# KiCad board .C68.kicad_pcb (continued)
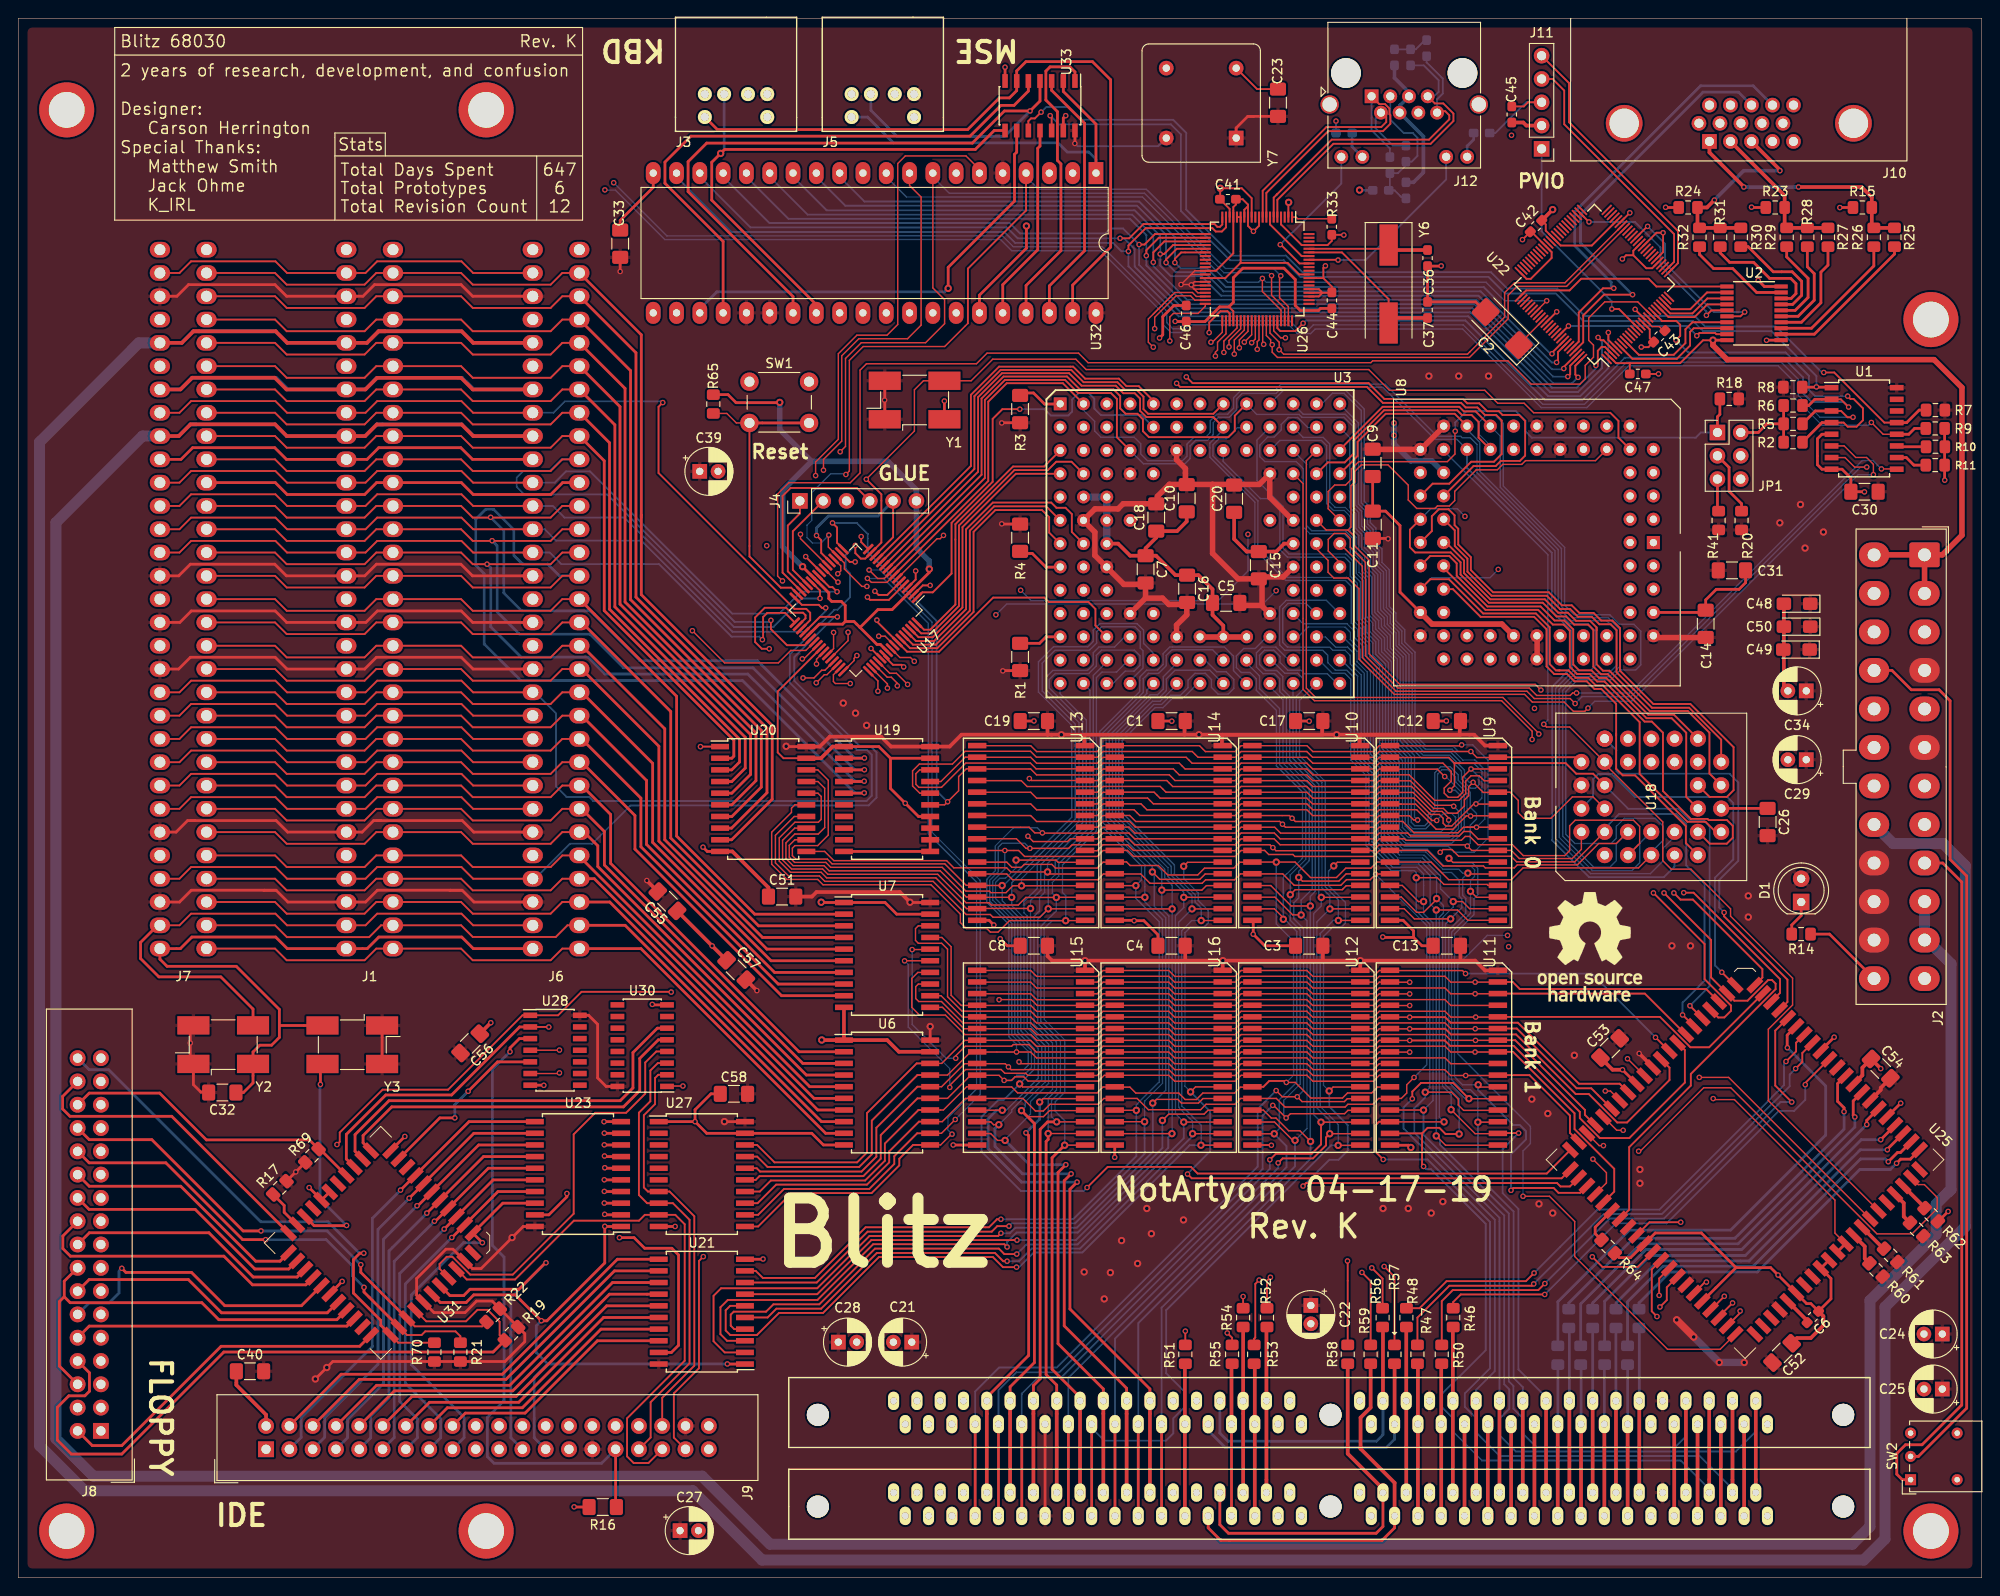
[diagram p0: board, top side]
## Routing (per net, layer and track width the routed paths; a pad name or vN(x,y) marks a point on that pad's centre or on a via; arc(x,y) is an arc through that point) (continued)
  In2.Cu w0.15: v1(83.29,108.67) 85.45,106.51 v1(85.45,100.17)
VGA_HSYNC: length 46.5
  Top w0.2: v1(175.95,139.88) 172.83,139.88 170.57,137.61 170.57,134.68 U22.97
  Bottom w0.3: v1(175.95,139.88) 175.93,139.88 170.27,145.53 170.27,148.6 183.62,161.95 187.5,161.95 J10.13
VGA_VSYNC: length 47.4
  Top w0.2: U22.96 170.08,134.76 170.08,137.92 172.73,140.57 v1(173.9,140.57)
  Bottom w0.3: 173.89,140.57 173.62,140.84 173.62,141.22 169.65,145.2 169.65,148.93 183.38,162.65 189.09,162.65 J10.14
VGB0: length 14.5
  Top w0.2: U2.18 182.62,136.22 182.22,135.82 182.22,134.33 180.77,132.88 175.94,132.88 U22.6
VGB1: length 14.1
  Top w0.2: 186.24,136.87 182.48,136.87 181.71,136.1 181.71,134.59 180.44,133.32 176.63,133.32 U22.8
VGB2: length 19.7
  Top w0.2: v1(177.59,147.32) 177.55,147.32 U22.39 ; v1(188.17,137.98) 187.7,137.51 U2.16
  Bottom w0.2: v1(177.59,147.32) 179.49,145.42 179.49,143.29 184.8,137.98 v1(188.17,137.98)
VGB3: length 22.3
  Top w0.2: U2.15 184.55,138.17 v1(184,137.62) ; U22.52 v1(171.2,147.8)
  Bottom w0.2: v1(184,137.62) 184,138.04 179,143.04 179,145.01 176.21,147.8 v1(171.2,147.8)
VGB4: length 8.5
  Top w0.2: U22.21 179.87,137.43 182.71,137.43 184.1,138.81 U2.14
VGB5: length 8.2
  Top w0.2: U22.22 180.04,137.83 182.47,137.83 184.11,139.47 U2.13
VGB6: length 8
  Top w0.2: U22.23 180.15,138.29 182.24,138.29 184.06,140.12 U2.12
VGB7: length 23.7
  Top w0.2: U2.11 178.55,140.76 177.7,141.61 170.35,141.61 169.08,140.34 164.35,140.34 U22.76
Net-(C2-Pad1): length 3.8
  Top w0.15: U22.85 163.55,134.45 C2.1
Net-(C6-Pad2): length 3.2
  Top w0.4: U25.58 194.98,28.02 C6.2
Net-(C35-Pad1): length 4
  Bottom w0.2: 153.58,167.57 153.27,167.57 152.32,166.62 R37.1 C35.1
Net-(C36-Pad1): length 13.3
  Top w0.2: U26.76 148.95,144.88 Y6.1
  Top w0.4: C36.1 149.91,144.74 Y6.1
Net-(C37-Pad1): length 17.9
  Top w0.2: U26.75 144.27,144.48 149.36,139.39 Y6.2
  Top w0.4: C37.1 149.91,137.33 Y6.2
Net-(C38-Pad1): length 16
  Bottom w0.2: 151.25,150.5 150.75,150.5 150,151.25 L1.1 149.5,151.38 R38.1 150.38,153.12 151.25,154 ; R39.2 151.88,154.38 152.5,155 152.5,157 152,157.5 151,157.5 149.54,158.96 J12.3
Net-(D1-Pad1): length 3.9
  Top w0.3: D1.1 194.32,72.18 193.3,71.16 R14.2
Net-(J1-PadA10): length 91.6
  Top w0.2: U17.38 85.7,101.66 83.78,101.66 82.03,103.41 v1(82.03,104.37) ; J1.A10 48.26,121.92 49.53,120.65 58.02,120.65 59.29,121.92 J6.A10 ; 20.55,121.92 27.98,121.92 29.25,120.65 37.74,120.65 39.01,121.92 40.87,121.92
  Bottom w0.2: J6.A10 59.2,121.92 57.93,120.65 55.06,120.65 54.32,119.91 54.32,118.93 55.15,118.1 64.18,118.1 78.08,104.2 81.86,104.2 v1(82.03,104.37)
Net-(J1-PadB8): length 90.4
  Top w0.2: v1(70.24,128.11) 69.78,127.65 69.78,120.43 84.59,105.62 85.88,105.62 86.31,105.19 86.31,104.39 U17.35 ; J1.B8 37.84,127 39.11,128.27 48.3,128.27 49.57,127 J6.B8 ; 35.79,127 29.29,127 28.02,128.27 18.83,128.27 17.56,127 15.47,127
  Bottom w0.2: J6.B8 58.31,127 59.56,128.25 70.1,128.25 v1(70.24,128.11)
Net-(J1-PadB11): length 87.8
  Top w0.2: J6.B11 49.57,119.38 48.3,120.65 39.11,120.65 37.84,119.38 J1.B11 ; 35.79,119.38 29.29,119.38 28.02,120.65 18.83,120.65 17.56,119.38 15.47,119.38 ; 87.87,108.54 U17.25 88.42,107.99 88.74,107.99 v1(89.24,107.49)
  Bottom w0.2: J6.B11 58.47,119.38 59.7,120.61 62.31,120.61 77.82,105.1 82.94,105.1 85.33,107.49 v1(89.24,107.49)
Net-(J1-PadB12): length 83.1
  Top w0.2: v1(87.38,106.76) 87.38,107.61 U17.27 ; J6.B12 49.57,116.84 48.3,118.11 39.11,118.11 37.84,116.84 J1.B12 ; 15.47,116.84 17.56,116.84 18.83,118.11 28.02,118.11 29.29,116.84 35.79,116.84
  Bottom w0.2: J6.B12 58.26,116.84 59.53,115.57 66.07,115.57 78,103.64 82.3,103.64 85.42,106.76 v1(87.38,106.76)
Net-(J1-PadB13): length 85.3
  Top w0.2: 15.47,114.3 17.56,114.3 18.83,115.57 28.02,115.57 29.29,114.3 35.79,114.3 ; v1(88,105.73) 87.58,105.73 87.25,106.06 85.4,106.06 U17.32 ; J6.B13 49.57,114.3 48.3,115.57 39.11,115.57 37.84,114.3 J1.B13
  Top w0.3: 15.47,114.3 15.01,114.3 ; J1.B13 35.29,114.3
  Bottom w0.2: v1(88,105.73) 88,105.37 85.75,103.12 77.85,103.12 67.91,113.06 58.61,113.06 57.37,114.3 J6.B13
Net-(J1-PadB14): length 78.3
  Top w0.2: J6.B14 49.57,111.76 48.3,113.03 39.11,113.03 37.84,111.76 J1.B14 ; 35.79,111.76 29.29,111.76 28.02,113.03 18.83,113.03 17.56,111.76 15.47,111.76 ; v1(81.1,102.26) 81.18,102.34 81.18,104.73 81.63,105.18 83.57,105.18 U17.33
  Bottom w0.2: J6.B14 57.92,111.76 59.18,110.5 69.83,110.5 77.74,102.59 80.77,102.59 v1(81.1,102.26)
Net-(J1-PadB28): length 115
  Top w0.2: U17.36 87.38,104.75 v1(89.27,104.75) ; J1.B28 37.84,76.2 39.11,77.47 48.3,77.47 49.57,76.2 J6.B28 ; 35.79,76.2 29.29,76.2 28.02,77.47 18.83,77.47 17.56,76.2 15.47,76.2
  Top w0.3: J1.B28 35.44,76.2 ; 15.47,76.2 15.16,76.2
  Bottom w0.2: J6.B28 56.32,76.2 60.13,80.01 62.55,80.01 66.73,84.19 92.68,84.19 93.54,85.05 93.54,89.97 92.82,90.69 91.67,90.69 84.58,97.78 84.58,100.37 88.93,104.72 89.28,104.72
Net-(J1-PadB30): length 64.3
  Top w0.2: J6.B30 49.57,71.12 48.3,72.39 39.11,72.39 37.84,71.12 J1.B30 29.29,71.12 28.02,72.39 18.83,72.39 17.56,71.12 15.47,71.12
  Top w0.3: J7.B30 15.18,71.12 13.32,69.26 13.32,67.5 15.32,65.5 22.07,65.5 25.58,61.99 Y2.3 ; 15.13,71.12 15.47,71.12 ; 35.41,71.12 J1.B30
Net-(J2-Pad9): length 75.2
  Top w0.3: SW2.1 205.35,10.68 204.75,11.28 204.75,13.54 205.7,14.49 207.5,14.49 211.83,18.82 211.83,75.84 209.76,77.91 J2.9
Net-(J2-Pad16): length 95.8
  Top w0.3: SW2.2 207.11,13.22 212.37,18.48 212.37,76.49 210.56,78.3 210.56,95.6 209.36,96.8 206.33,96.8 204.23,98.91 J2.16
Net-(J3-Pad1): length 61.2
  Top w0.3: 86.99,137.9 86.99,138.77 75.58,150.18 75.58,154.31 76.98,155.71 104.31,155.71 106.37,157.77 U33.8
  Bottom w0.3: v2(76.55,155.28) 76.93,155.66 J3.1
Net-(J3-Pad5): length 77.1
  Top w0.3: U32.39 114.92,140.92 119.06,145.06 119.06,163.3 117.08,165.28 109.83,165.28 108.82,164.27 U33.6 108.82,162.12 108.03,161.32 106.93,161.32 103.47,157.88 76.19,157.88 J3.5
Net-(J4-Pad1): length 10.8
  Top w0.2: J4.1 85.19,116.02 83.87,114.7 83.87,109.71 U17.29
Net-(J4-Pad2): length 11.2
  Top w0.2: U17.28 84.42,109.87 84.42,114.08 J4.2
Net-(J4-Pad3): length 18.7
  Top w0.2: U17.53 94,100.24 v1(92.94,101.3)
  In1.Cu w0.3: J4.3 90.27,109.86 91.31,108.82 91.31,103.35 92.94,101.72 v1(92.94,101.3)
Net-(J4-Pad4): length 21.7
  Top w0.2: J4.4 91.4,118.8 84.17,118.8 83.3,117.93 83.3,109.57 U17.30
Net-(J5-Pad1): length 85.9
  Top w0.3: U32.27 84.44,139.67 73,151.11 73,154.37 75.03,156.4 103.98,156.4 107.48,159.9 v1(110.28,159.9) 111.36,160.99 U33.4
  Bottom w0.3: J5.1 92.93,159.97 95.78,157.12 107.5,157.12 v1(110.28,159.9)
Net-(J5-Pad5): length 41.6
  Top w0.3: U33.2 113.9,162.03 117.46,158.47 U32.1
  Bottom w0.3: J5.5 92.56,159.24 95.38,156.43 113.32,156.43 114.32,155.43 116.66,155.43 117.46,154.63 U32.1
Net-(J8-Pad2): length 37.6
  Top w0.3: J8.2 8.06,14.4 11.28,14.4 22.1,25.22 37.21,25.22 U31.39
Net-(J8-Pad8): length 79.2
  Top w0.2: R19.1 52.46,26.44 52.46,27.89 51.15,29.2 50.05,29.2 48.8,27.95 44.46,27.95 U31.43
  Top w0.3: R19.1 51.75,24.6 22.4,24.6 11.28,13.47 5.78,13.47 4.25,15 4.25,18.57 5.5,19.82 7.25,19.82 7.75,20.32 7.75,22.33 J8.8
Net-(J8-Pad10): length 31
  Top w0.3: U31.37 35.81,27.43 7.72,27.43 J8.10
Net-(J8-Pad12): length 32.6
  Top w0.3: U31.33 30.85,29.65 22.5,29.65 18.88,33.28 11.72,33.28 v1(11.28,33.72)
  Bottom w0.3: J8.12 7.71,29.95 9.88,29.95 10.98,31.05 10.98,33.43 v1(11.28,33.72)
Net-(J8-Pad14): length 30.9
  Top w0.3: J8.14 7.72,32.5 18.53,32.5 22.15,28.88 33.67,28.88 U31.35
Net-(J8-Pad16): length 46.5
  Top w0.3: J8.16 5,32.32 5,30.62 ; J8.6 4.47,23.06 4.47,30.1 5,30.62 ; 5,30.62 5.65,29.97 20,29.97 21.85,28.12 34.72,28.12 U31.36
Net-(J8-Pad18): length 27.7
  Top w0.3: J8.18 7.74,37.6 20.78,37.6 25.6,32.78 30.39,32.78 U31.31
Net-(J8-Pad20): length 32.9
  Top w0.3: J8.20 4.85,37.25 4.85,35.88 5.67,35.05 22.4,35.05 25.53,31.93 31.33,31.93 U31.32
Net-(J8-Pad22): length 27.5
  Top w0.3: J8.22 7.71,40.15 19.28,40.15 25.78,33.65 29.47,33.65 U31.30
Net-(J8-Pad24): length 27.3
  Top w0.3: J8.24 7.72,42.68 17.7,42.68 25.88,34.5 28.52,34.5 U31.29
Net-(J8-Pad26): length 52
  Top w0.2: R21.1 48.18,26.32 47.65,26.85 44.35,26.85 43.95,26.45 42.37,26.45 U31.41
  Top w0.3: J8.26 7.72,45.22 16.08,45.22 24.45,36.85 v1(26.95,36.85) ; v1(37.67,31.65) 37.67,31.14 U31.41
  Bottom w0.3: v1(37.67,31.65) 36.42,32.9 36.42,33.97 33.55,36.85 v1(26.95,36.85)
Net-(J8-Pad28): length 54.2
  Top w0.2: U31.42 43.21,27.4 50.55,27.4 R22.1
  Top w0.3: v1(37.33,34.12) 37.33,33.29 U31.42 ; v1(26.45,37.8) 24.5,37.8 14.55,47.75 7.73,47.75 J8.28
  Bottom w0.3: v1(26.45,37.8) 33.65,37.8 v1(37.33,34.12)
Net-(J8-Pad30): length 33.5
  Top w0.3: J8.30 7.72,52.82 15.4,52.82 20.5,47.72 31.72,47.72 R69.1 32.87,46.72 U31.21
Net-(J8-Pad32): length 33.9
  Top w0.3: U31.28 16.72,50.3 5.62,50.3 4.83,51.1 4.83,52.47 J8.32
Net-(J8-Pad34): length 56.4
  Top w0.2: U31.40 41.41,25.61 R70.1
  Top w0.3: v1(37.65,35.38) 37.23,35.38 36.53,34.67 36.53,31.03 39.5,28.05 39.5,27.52 U31.40
  Bottom w0.3: v1(37.65,35.38) 37.17,35.38 33.75,38.8 26.42,38.8 9.85,55.38 7.72,55.38 J8.34
Net-(J9-Pad31): length 70.5
  Top w0.3: R16.2 65.1,7.79 J9.31 ; v1(53.59,57.34) 53.59,57.75 54.61,58.77 U28.3
  Bottom w0.3: J9.31 63.57,12.47 51.85,12.47 51.12,13.2 51.12,17.47 52.94,19.29 52.94,34.95 51.67,36.22 51.67,55.42 v1(53.59,57.34)
Net-(J10-Pad1): length 26.6
  Top w0.4: v1(194.04,151.61) 200.91,151.61 202.02,150.5 R15.1 202.02,147.38 R26.1 R25.1 ; v1(188.08,151.61) 188.08,151.63 184.33,155.38 J10.1
  Bottom w0.4: v1(188.08,151.61) v1(194.04,151.61)
Net-(J10-Pad2): length 16.5
  Top w0.4: R27.1 R29.1 192.52,147.38 R23.1 192.52,150.68 J10.2
Net-(J10-Pad3): length 21.9
  Top w0.4: v1(192.01,153.39) 192.01,153.48 J10.3 ; R30.1 R32.1 183.02,147.38 R24.1 184.06,149.38 v1(184.87,150.19)
  Bottom w0.4: v1(192.01,153.39) 188.07,153.39 v1(184.87,150.19)
Net-(J11-Pad4): length 27.8
  Top w0.2: J11.4 167.24,163.39 168.5,162.13 168.5,158.45 180.48,146.47 180.48,143.45 U22.27
Net-(J11-Pad5): length 30.2
  Top w0.2: U22.26 180.9,143.31 180.9,146.8 169.02,158.68 169.02,162.94 J11.5
Net-(J12-Pad9): length 16.3
  Top w0.2: U26.72 139.65,143.28 137.6,145.33 v1(137.55,145.33)
  Bottom w0.2: J12.9 144.2,151.98 v1(137.55,145.33)
Net-(J12-Pad10): length 3.1
  Bottom w0.3: R35.2 145.38,156.01 J12.10
Net-(J12-Pad11): length 21.1
  Top w0.2: U26.73 143.82,143.68 v1(143.85,143.65)
  Bottom w0.2: J12.11 155.63,152.43 146.85,143.65 v1(143.85,143.65)
Net-(J12-Pad12): length 2.9
  Bottom w0.3: R34.2 158.62,156.78 157.92,156.08 J12.12
Net-(JP1-Pad3): length 7.1
  Top w0.3: R20.2 187.83,117.08 186.47,118.44 186.47,121.04 JP1.3
Net-(JP1-Pad5): length 3.5
  Top w0.3: R41.2 185.2,116.41 JP1.5
Net-(R1-Pad2): length 4.7
  Top w0.3: U3.L1 112.02,102.57 111.31,101.86 R1.2
Net-(R3-Pad2): length 5.4
  Top w0.3: 113.54,127.95 111.86,127.95 110.65,129.16 108.6,129.16
Net-(R4-Pad2): length 5.6
  Top w0.3: 108.6,111.66 110.52,111.66 112.01,110.17 113.54,110.17
Net-(R10-Pad2): length 3.2
  Top w0.3: U1.11 204.83,123.29 R10.2
Net-(R11-Pad2): length 3.5
  Top w0.3: R11.2 206.62,121.29 205.79,122.11 U1.10
Net-(R12-Pad2): length 38.2
  Top w0.3: U25.75 206.22,45.62 205.18,45.62 v1(204.73,45.18)
  Bottom w0.3: R12.2 176.65,29.95 180.02,33.32 189.55,33.32 200.73,44.5 204.05,44.5 v1(204.73,45.18)
Net-(R13-Pad2): length 43.2
  Top w0.3: v1(203.82,45.35) 204.82,46.35 205.15,46.35 U25.76
  Bottom w0.3: R13.2 175.4,30.07 179.27,33.95 189.1,33.95 200.8,45.65 203.53,45.65 v1(203.82,45.35)
Net-(R17-Pad1): length 4.4
  Top w0.3: U31.27 28.97,39.84 28.97,40.58 R17.1
Net-(R33-Pad2): length 4.4
  Top w0.15: R33.2 139.46,148.15 139.28,148.33 U26.1
Net-(R40-Pad2): length 39.7
  Top w0.3: U25.77 203.73,46.72 v1(203.73,46.65)
  Bottom w0.3: R40.2 174.15,29.95 178.73,34.53 188.65,34.53 200.77,46.65 v1(203.73,46.65)
Net-(R42-Pad2): length 44.5
  Top w0.3: v1(203,47.75) 204.54,49.29 U25.78
  Bottom w0.3: R42.2 172.9,30.12 177.9,35.12 188.25,35.12 200.88,47.75 v1(203,47.75)
Net-(R43-Pad2): length 40.9
  Top w0.3: v1(201.48,49.4) 201.48,49.86 U25.80
  Bottom w0.3: v1(201.48,49.4) 187.85,35.78 177.43,35.78 171.6,29.95 R43.2
Net-(R44-Pad2): length 46.7
  Top w0.3: U25.82 200,51.97 200,50.4 v1(200.18,50.22)
  Bottom w0.3: R44.2 170.3,29.85 176.85,36.4 187.45,36.4 200.18,49.12 v1(200.18,50.22)
Net-(R45-Pad2): length 45
  Top w0.3: U25.84 198.3,53.86 198.3,51.92 199,51.22 v1(199,50.8)
  Bottom w0.3: R45.2 169,29.95 176.05,37 187.1,37 199,48.9 v1(199,50.8)
Net-(R46-Pad2): length 53.7
  Top w0.2: v1(166.38,30.88) 157.22,30.88 156.4,30.05 R46.2 ; v1(194.77,53.75) 194.77,53.93 U25.2
  Bottom w0.2: v1(194.77,53.75) 194.77,52.1 193.56,50.89 191.91,50.89 179.65,38.62 174.12,38.62 v1(166.38,30.88)
Net-(R47-Pad2): length 59.8
  Top w0.2: U25.4 194.45,57.2 194.45,56.22 v1(193.73,55.5) ; R47.2 152.5,28.35 155.97,31.82 164.97,31.82 v1(165.18,32.03)
  Bottom w0.2: v1(165.18,32.03) 172.8,39.65 179.15,39.65 193.07,53.57 193.07,54.85 v1(193.73,55.5)
Net-(R48-Pad2): length 57.7
  Top w0.2: v1(165.21,33.21) 164.32,32.32 155.68,32.32 152.72,29.38 R48.2 ; U25.5 193.77,58.32 193.77,57.38 v1(192.68,56.28)
  Bottom w0.2: v1(192.68,56.28) 192.45,56.05 192.45,53.7 178.88,40.12 172.12,40.12 v1(165.21,33.21)
Net-(R49-Pad2): length 55.5
  Top w0.3: U25.6 192.8,59.14 192.8,57.8 v1(192.82,57.78)
  Bottom w0.3: v1(192.82,57.78) 197,53.6 197,48.25 186.64,37.89 175.61,37.89 167.8,30.07 R49.2
Net-(R50-Pad2): length 62.4
  Top w0.2: R50.2 155.15,30.15 156.35,31.35 165.68,31.35 v1(166.39,32.06) ; U25.7 191.5,59.64 191.5,53.65 v1(193.3,51.85)
  Bottom w0.2: v1(193.3,51.85) 192.07,51.85 179.38,39.15 173.48,39.15 v1(166.39,32.06)
Net-(R51-Pad1): length 16.6
  Top w0.4: R51.1 127.15,23.28 U5.47 U24.47
Net-(R51-Pad2): length 65.8
  Top w0.2: U25.41 177.8,38.75 v1(181.2,38.75) ; v1(127.2,26.88) R51.2
  In2.Cu w0.2: v1(127.2,26.88) 139.07,38.75 v1(181.2,38.75)
Net-(R52-Pad2): length 56.9
  Top w0.2: R52.2 136.1,32.38 v1(136.47,32.75) ; U25.48 183.84,32.22 v1(184,32.22)
  In2.Cu w0.2: v1(184,32.22) 184,32.5 179.8,36.7 139.82,36.7 136.47,33.35 v1(136.47,32.75)
Net-(R53-Pad2): length 65.4
  Top w0.2: v1(135.25,32.45) 134.82,32.03 134.82,26.18 134.7,26.05 R53.2 ; U25.50 184.51,29.23 v1(185.95,30.68)
  In2.Cu w0.2: v1(185.95,30.68) 185.95,31.35 180.1,37.2 139.6,37.2 135.55,33.15 135.55,32.75 v1(135.25,32.45)
Net-(R54-Pad2): length 64.4
  Top w0.2: v1(186.85,29.95) 185.34,28.44 U25.51 ; R54.2 v1(133.5,30.65)
  In2.Cu w0.2: v1(186.85,29.95) 186.85,31.2 180.35,37.7 139.4,37.7 133.5,31.8 v1(133.5,30.65)
Net-(R55-Pad2): length 71.8
  Top w0.2: U25.52 187.68,28.87 v1(187.68,29.07) ; R55.2 132.3,26.15 v1(131.78,26.68)
  In2.Cu w0.2: v1(131.78,26.68) 131.78,30.75 139.25,38.22 180.6,38.22 187.68,31.15 v1(187.68,29.07)
Net-(R56-Pad2): length 37.4
  Top w0.2: v1(171.56,34.98) 172.66,33.88 176.52,33.88 U25.43 ; R56.2 148.7,32.6 v1(147.53,33.78)
  In2.Cu w0.2: v1(171.56,34.98) 171.3,35.24 148.99,35.24 v1(147.53,33.78)
Net-(R57-Pad2): length 48.5
  Top w0.2: v1(178.61,28.47) 178.04,29.04 178.04,33.6 U25.44 ; v1(148.88,33.93) 150,32.8 R57.2
  In2.Cu w0.2: v1(178.61,28.47) 172.88,34.2 171.3,34.2 170.77,34.73 149.68,34.73 v1(148.88,33.93)
Net-(R58-Pad2): length 49.5
  Top w0.2: v1(178.85,30.78) 178.85,32.62 U25.45 ; R58.2 144.9,34.5 v1(144.88,34.53)
  In2.Cu w0.2: v1(178.85,30.78) 173.4,36.22 146.57,36.22 v1(144.88,34.53)
Net-(R59-Pad2): length 49.3
  Top w0.2: v1(178.93,29.51) 179.68,30.26 179.68,31.65 U25.46 ; R59.2 147.4,32.32 v1(146.45,33.28)
  In2.Cu w0.2: v1(146.45,33.28) 146.45,34.24 147.93,35.72 173.16,35.72 178.04,30.84 178.04,30.4 v1(178.93,29.51)
Net-(R60-Pad2): length 3.8
  Top w0.4: U25.66 201.26,36.12 201.26,34.79 R60.2
Net-(R61-Pad2): length 3.4
  Top w0.4: U25.67 203.3,35.86 R61.2
Net-(R62-Pad2): length 3.4
  Top w0.4: R62.2 207.78,40.37 U25.72
Net-(R63-Pad2): length 3.8
  Top w0.4: U25.71 205.51,40.84 205.51,39.37 R63.2
Net-(R64-Pad2): length 4.2
  Top w0.3: U25.38 171.87,38.22 171.87,37.51 R64.2
Net-(R65-Pad2): length 32.5
  Top w0.15: R65.2 77.22,126.92 78.26,125.89 SW1.2
  Top w0.2: U17.31 84.24,107.93 83.1,107.93 79.69,111.34 SW1.2
  Top w0.3: SW1.2 SW1.2
  Bottom w0.2: 79.74,125.84 SW1.2
Net-(U26-Pad7): length 6.5
  Top w0.2: U26.74 139.88,144.08 136.43,147.53 U26.7
Net-(U26-Pad15): length 17.9
  Top w0.2: U26.16 U26.15 133.23,143.35 133.22,143.34 ; U26.69 139.61,142.08 138.35,143.34 133.22,143.34 ; 133.22,143.34 131.56,141.68 U26.33
Net-(U28-Pad5): length 19.6
  Top w0.3: U31.16 45.94,50.12 v1(47.57,50.12) ; U28.5 52.23,56.23 v1(49.03,53.03)
  Bottom w0.3: v1(49.03,53.03) 47.57,51.57 v1(47.57,50.12)
Net-(U30-Pad4): length 44.9
  Top w0.2: U31.3 45.91,33.68 45.91,34.2 46.69,34.98 47.31,34.98 49.25,33.04 53.89,33.04 60.53,39.68 60.53,48.33 62.88,50.68 66.24,50.68 68.33,52.77 68.33,56.16 69.53,57.37 U30.4
Net-(U30-Pad5): length 41.5
  Top w0.3: U30.5 69.76,58.63 67.73,56.6 67.73,53.1 65.96,51.32 40.7,51.32 37.58,48.2 37.58,47.41 U31.18
Net-(U30-Pad6): length 44.1
  Top w0.3: U31.19 36.7,46.48 36.7,48.3 40.4,52 65.6,52 66.99,53.39 66.99,57.25 69.65,59.91 U30.6
Net-(U31-Pad26): length 23.9
  Top w0.3: Y3.3 32.92,55.78 v1(32.92,53.78) ; v1(35.78,38.4) 35.75,38.38 32.24,38.38 U31.26
  Bottom w0.3: v1(35.78,38.4) 32.88,41.3 32.88,53.72 v1(32.92,53.78)
Net-(U32-Pad3): length 18.8
  In1.Cu w0.3: Y7.5 121.54,164.57 112.38,155.41 U32.3
Net-(U32-Pad23): length 48.7
  Top w0.3: U33.9 108.82,155.41 108.58,155.17 108.58,150.08 101.35,142.85 v2(101.35,140.56)
  Bottom w0.3: 74.27,137.92 74.27,138.32 76.13,140.18 100.93,140.18 101.34,140.59
Net-(U32-Pad24): length 63
  Top w0.3: U33.5 110.09,162.07 108.53,160.51 107.09,160.51 103.74,157.16 73.31,157.16 70.48,154.33 70.48,152.02 76.82,145.68 U32.24
Net-(U32-Pad35): length 27.1
  Top w0.3: v2(109.88,147.36) 109.88,144.94 104.76,139.82 U32.35 ; v1(114.16,159.39) 113.9,159.13 U33.13
  In1.Cu w0.3: v1(114.16,159.39) 111.1,156.33 111.1,148.58 v2(109.88,147.36)
Net-(U32-Pad36): length 21.6
  Top w0.3: U33.11 111.36,156.08 111.11,155.83 111.11,144.77 107.3,140.96 U32.36
Net-(U32-Pad37): length 33.2
  Top w0.3: U32.37 109.84,140.87 113.64,144.67 113.64,154.13 113.26,154.51 113.26,159.83 112,161.09 112,164.25 112.46,164.71 114.62,164.71 115.17,164.16 U33.1
Net-(U32-Pad38): length 28.3
  Top w0.3: U32.38 112.38,140.83 116.21,144.66 116.21,158.57 112.63,162.15 U33.3

## Copper pours and planes (outline as drawn; the poured copper is in the pictures)
+5V on Top: 1,1 213,1 213,169 1,169
+5V on Bottom: 1,1 213,1 213,169 1,169
GND on Top: 130.06,139.89 130.03,142.68 126.64,142.68 126.06,142.1 126.06,140.45 126.61,139.89
GND on In1.Cu: 1,1 1,169 213,169 213,1
GND on In2.Cu: 213,1 213,169 1,169 1,1

## Text on the board
F.SilkS: Blitz 68030 | 2 years of research, development, and confusion / Designer: / Carson Herrington / Special Thanks: / Matthew Smith / Jack Ohme / K_IRL | Stats | Total Days Spent | Total Prototypes | Total Revision Count | Rev. K | 647 | 6 | 12 | Reset | GLUE | PVIO | Bank 0 | Bank 1 | IDE | KBD | MSE | FLOPPY | NotArtyom 04-17-19 / Rev. K | Blitz
